# KiCad board DIP8breakout+potToUSB.kicad_pcb (continued)
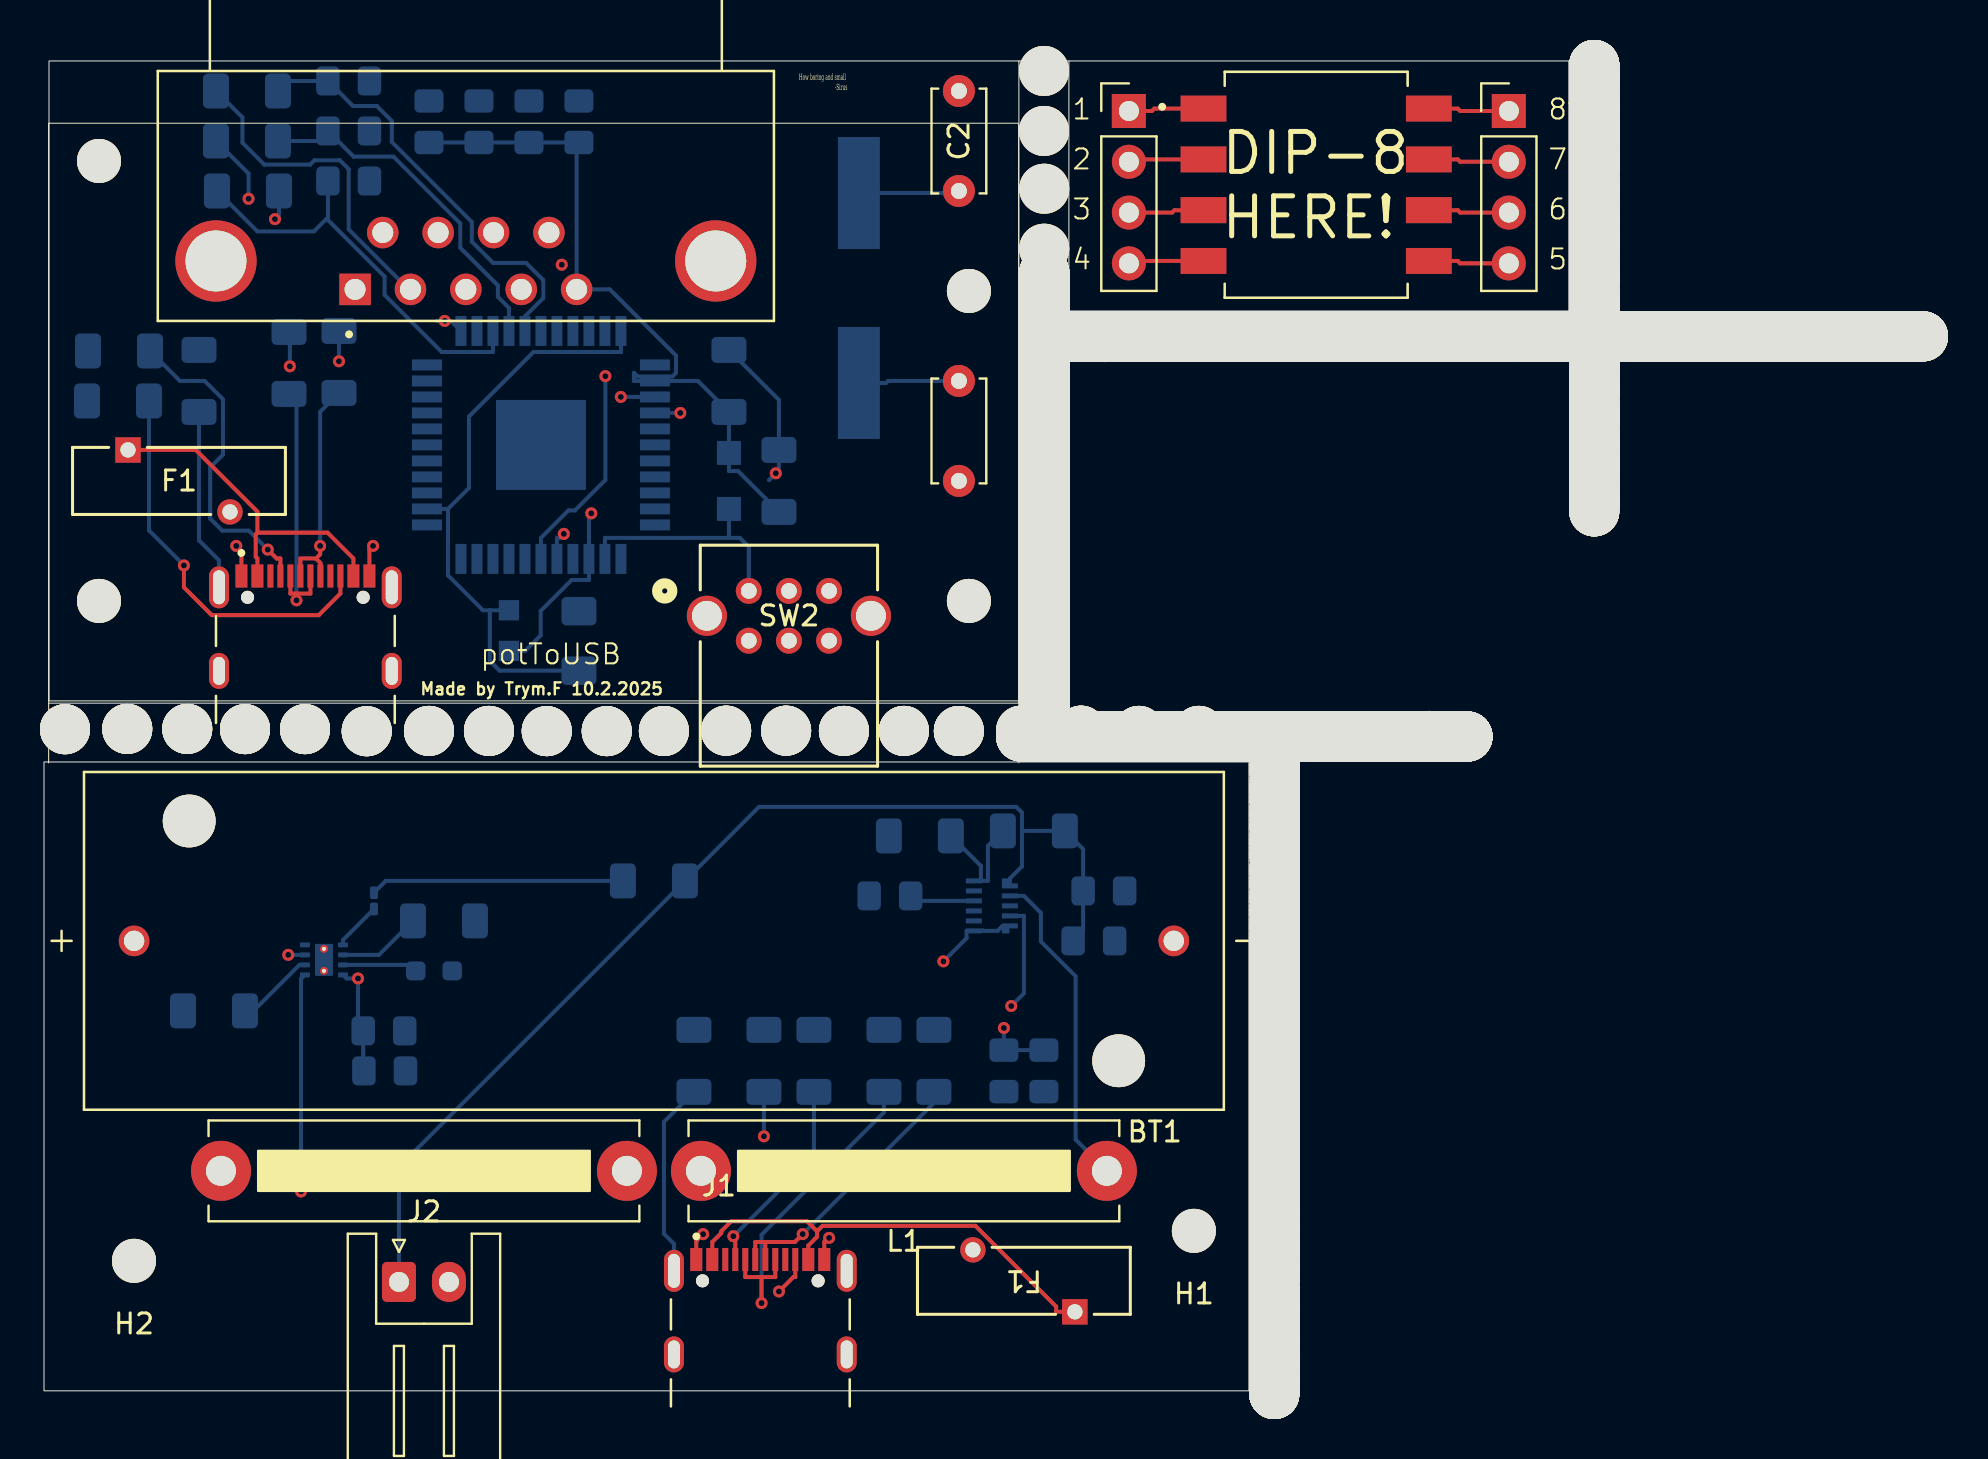
[diagram p0: board, top side]
## Placement (name value [footprint] x y rotation side) (continued)
H10#1073  MountingHole  [MountingHole_2.5mm]  77.52 55.44 180 bottom
H10#1074  MountingHole  [MountingHole_2.5mm]  50.02 33.99 180 bottom
H10#1075  MountingHole  [MountingHole_2.5mm]  61.52 4.86 0 bottom
H10#1076  MountingHole  [MountingHole_2.5mm]  76.2 52.73 270 bottom
H10#1077  MountingHole  [MountingHole_2.5mm]  61.55 12.07 180 bottom
H10#1078  MountingHole  [MountingHole_2.5mm]  73.24 52.73 270 bottom
H10#1079  MountingHole  [MountingHole_2.5mm]  77.52 51.42 180 bottom
H10#1080  MountingHole  [MountingHole_2.5mm]  61.55 13.03 180 bottom
H10#1081  MountingHole  [MountingHole_2.5mm]  61.55 22.13 180 bottom
H10#1082  MountingHole  [MountingHole_2.5mm]  53.42 32.72 90 bottom
H10#1083  MountingHole  [MountingHole_2.5mm]  61.55 23.33 180 bottom
H10#1084  MountingHole  [MountingHole_2.5mm]  50.02 49.61 180 bottom
H10#1085  MountingHole  [MountingHole_2.5mm]  61.52 7.74 0 bottom
H10#1086  MountingHole  [MountingHole_2.5mm]  63.28 32.72 90 bottom
H10#1087  MountingHole  [MountingHole_2.5mm]  79.94 52.73 270 bottom
H10#1088  MountingHole  [MountingHole_2.5mm]  77.52 47.6 180 bottom
H10#1089  MountingHole  [MountingHole_2.5mm]  54.28 32.72 90 bottom
H10#1090  MountingHole  [MountingHole_2.5mm]  87.26 52.73 270 bottom
H10#1091  MountingHole  [MountingHole_2.5mm]  53.68 32.72 90 bottom
H10#1092  MountingHole  [MountingHole_2.5mm]  77.52 60.66 180 bottom
H10#1093  MountingHole  [MountingHole_2.5mm]  76.4 52.73 270 bottom
H10#1094  MountingHole  [MountingHole_2.5mm]  73.9 52.73 270 bottom
H10#1095  MountingHole  [MountingHole_2.5mm]  77.52 56.1 180 bottom
H10#1096  MountingHole  [MountingHole_2.5mm]  22.25 33 90 bottom
H10#1097  MountingHole  [MountingHole_2.5mm]  77.52 65.64 180 bottom
H10#1098  MountingHole  [MountingHole_2.5mm]  45.75 33 90 bottom
H10#1099  MountingHole  [MountingHole_2.5mm]  77.52 53.78 180 bottom
H10#1100  MountingHole  [MountingHole_2.5mm]  67.82 32.72 90 bottom
H10#1101  MountingHole  [MountingHole_2.5mm]  57.82 52.73 270 bottom
H10#1102  MountingHole  [MountingHole_2.5mm]  50.46 32.72 90 bottom
H10#1103  MountingHole  [MountingHole_2.5mm]  54.74 52.73 270 bottom
H10#1104  MountingHole  [MountingHole_2.5mm]  61.52 5.06 0 bottom
H10#1105  MountingHole  [MountingHole_2.5mm]  85.56 52.73 270 bottom
H10#1106  MountingHole  [MountingHole_2.5mm]  61.55 24.49 180 bottom
H10#1107  MountingHole  [MountingHole_2.5mm]  51.32 32.72 90 bottom
H10#1108  MountingHole  [MountingHole_2.5mm]  60.32 32.72 90 bottom
H10#1109  MountingHole  [MountingHole_2.5mm]  60.72 32.72 90 bottom
H10#1110  MountingHole  [MountingHole_2.5mm]  61.52 1.1 0 bottom
H10#1111  MountingHole  [MountingHole_2.5mm]  58.32 32.72 90 bottom
H10#1112  MountingHole  [MountingHole_2.5mm]  77.94 52.73 270 bottom
H10#1113  MountingHole  [MountingHole_2.5mm]  58.86 32.72 90 bottom
H10#1114  MountingHole  [MountingHole_2.5mm]  77.52 57.04 180 bottom
H10#1115  MountingHole  [MountingHole_2.5mm]  88.12 52.73 270 bottom
H10#1116  MountingHole  [MountingHole_2.5mm]  49.26 32.72 90 bottom
H10#1117  MountingHole  [MountingHole_2.5mm]  50.02 42.19 180 bottom
H10#1118  MountingHole  [MountingHole_2.5mm]  79.08 52.73 270 bottom
H10#1119  MountingHole  [MountingHole_2.5mm]  77.52 44.64 180 bottom
H10#1120  MountingHole  [MountingHole_2.5mm]  70.12 32.72 90 bottom
H10#1121  MountingHole  [MountingHole_2.5mm]  77.52 59.4 180 bottom
H10#1122  MountingHole  [MountingHole_2.5mm]  61.52 19.7 0 bottom
H10#1123  MountingHole  [MountingHole_2.5mm]  61.52 1.24 0 bottom
H10#1124  MountingHole  [MountingHole_2.5mm]  62.78 52.73 270 bottom
H10#1125  MountingHole  [MountingHole_2.5mm]  61.52 8.64 0 bottom
H10#1126  MountingHole  [MountingHole_2.5mm]  61.52 13.36 0 bottom
H10#1127  MountingHole  [MountingHole_2.5mm]  73.44 52.73 270 bottom
H10#1128  MountingHole  [MountingHole_2.5mm]  77.52 59.8 180 bottom
H10#1129  MountingHole  [MountingHole_2.5mm]  61.55 22.47 180 bottom
H10#1130  MountingHole  [MountingHole_2.5mm]  61.55 20.27 180 bottom
H10#1131  MountingHole  [MountingHole_2.5mm]  70.48 52.73 270 bottom
H10#1132  MountingHole  [MountingHole_2.5mm]  77.52 60.46 180 bottom
H10#1133  MountingHole  [MountingHole_2.5mm]  54.9 32.72 90 bottom
H10#1134  MountingHole  [MountingHole_2.5mm]  61.55 28.51 180 bottom
H10#1135  MountingHole  [MountingHole_2.5mm]  77.52 44.38 180 bottom
H10#1136  MountingHole  [MountingHole_2.5mm]  68.22 32.72 90 bottom
H10#1137  MountingHole  [MountingHole_2.5mm]  77.52 62.48 180 bottom
H10#1138  MountingHole  [MountingHole_2.5mm]  49.92 32.72 90 bottom
H10#1139  MountingHole  [MountingHole_2.5mm]  61.55 9.81 180 bottom
H10#1140  MountingHole  [MountingHole_2.5mm]  53.88 32.72 90 bottom
H10#1141  MountingHole  [MountingHole_2.5mm]  83.3 52.73 270 bottom
H10#1142  MountingHole  [MountingHole_2.5mm]  77.52 65.24 180 bottom
H10#1143  MountingHole  [MountingHole_2.5mm]  50.02 37.21 180 bottom
H10#1144  MountingHole  [MountingHole_2.5mm]  69.82 52.73 270 bottom
H10#1145  MountingHole  [MountingHole_2.5mm]  69.42 52.73 270 bottom
H10#1146  MountingHole  [MountingHole_2.5mm]  61.52 0.7 0 bottom
H10#1147  MountingHole  [MountingHole_2.5mm]  82.5 52.73 270 bottom
H10#1148  MountingHole  [MountingHole_2.5mm]  63.04 52.73 270 bottom
H10#1149  MountingHole  [MountingHole_2.5mm]  77.52 62.94 180 bottom
H10#1150  MountingHole  [MountingHole_2.5mm]  61.55 17.71 180 bottom
H10#1151  MountingHole  [MountingHole_2.5mm]  72.7 52.73 270 bottom
H10#1152  MountingHole  [MountingHole_2.5mm]  77.52 51.02 180 bottom
H10#1153  MountingHole  [MountingHole_2.5mm]  61.52 15.26 0 bottom
H10#1154  MountingHole  [MountingHole_2.5mm]  71.84 52.73 270 bottom
H10#1155  MountingHole  [MountingHole_2.5mm]  65.34 52.73 270 bottom
H10#1156  MountingHole  [MountingHole_2.5mm]  93.1 52.73 270 bottom
H10#1157  MountingHole  [MountingHole_2.5mm]  61.55 14.83 180 bottom
H10#1158  MountingHole  [MountingHole_2.5mm]  71.64 52.73 270 bottom
H10#1159  MountingHole  [MountingHole_2.5mm]  50.02 45.45 180 bottom
H10#1160  MountingHole  [MountingHole_2.5mm]  61.55 15.03 180 bottom
H10#1161  MountingHole  [MountingHole_2.5mm]  58.32 32.72 90 bottom
H10#1162  MountingHole  [MountingHole_2.5mm]  77.52 56.64 180 bottom
H10#1163  MountingHole  [MountingHole_2.5mm]  77.52 45.38 180 bottom
H10#1164  MountingHole  [MountingHole_2.5mm]  50.02 42.59 180 bottom
H10#1165  MountingHole  [MountingHole_2.5mm]  52.48 32.72 90 bottom
H10#1166  MountingHole  [MountingHole_2.5mm]  64.14 32.72 90 bottom
H10#1167  MountingHole  [MountingHole_2.5mm]  61.52 14.26 0 bottom
H10#1168  MountingHole  [MountingHole_2.5mm]  50.02 36.95 180 bottom
H10#1169  MountingHole  [MountingHole_2.5mm]  61.52 1.64 0 bottom
H10#1170  MountingHole  [MountingHole_2.5mm]  50.02 49.41 180 bottom
H10#1171  MountingHole  [MountingHole_2.5mm]  77.52 50.68 180 bottom
H10#1172  MountingHole  [MountingHole_2.5mm]  61.52 8.64 0 bottom
H10#1173  MountingHole  [MountingHole_2.5mm]  77.52 56.3 180 bottom
H10#1174  MountingHole  [MountingHole_2.5mm]  51.32 52.73 270 bottom
H10#1175  MountingHole  [MountingHole_2.5mm]  59.72 52.73 270 bottom
H10#1176  MountingHole  [MountingHole_2.5mm]  52.92 52.73 270 bottom
H10#1177  MountingHole  [MountingHole_2.5mm]  61.52 0.7 0 bottom
H10#1178  MountingHole  [MountingHole_2.5mm]  88.12 52.73 270 bottom
H10#1179  MountingHole  [MountingHole_2.5mm]  53.38 52.73 270 bottom
H10#1180  MountingHole  [MountingHole_2.5mm]  70.28 52.73 270 bottom
H10#1181  MountingHole  [MountingHole_2.5mm]  54.54 52.73 270 bottom
H10#1182  MountingHole  [MountingHole_2.5mm]  57.46 32.72 90 bottom
H10#1183  MountingHole  [MountingHole_2.5mm]  61.55 13.43 180 bottom
H10#1184  MountingHole  [MountingHole_2.5mm]  77.52 45.78 180 bottom
H10#1185  MountingHole  [MountingHole_2.5mm]  68.22 52.73 270 bottom
H10#1186  MountingHole  [MountingHole_2.5mm]  57.36 52.73 270 bottom
H10#1187  MountingHole  [MountingHole_2.5mm]  61.55 28.11 180 bottom
H10#1188  MountingHole  [MountingHole_2.5mm]  61.55 30.13 180 bottom
H10#1189  MountingHole  [MountingHole_2.5mm]  89.6 52.73 270 bottom
H10#1190  MountingHole  [MountingHole_2.5mm]  66.16 32.72 90 bottom
H10#1191  MountingHole  [MountingHole_2.5mm]  77.52 58.6 180 bottom
H10#1192  MountingHole  [MountingHole_2.5mm]  59.92 52.73 270 bottom
H10#1193  MountingHole  [MountingHole_2.5mm]  77.52 45.04 180 bottom
H10#1194  MountingHole  [MountingHole_2.5mm]  60.38 52.73 270 bottom
H10#1195  MountingHole  [MountingHole_2.5mm]  77.52 57.24 180 bottom
H10#1196  MountingHole  [MountingHole_2.5mm]  58.66 32.72 90 bottom
H10#1197  MountingHole  [MountingHole_2.5mm]  61.55 22.47 180 bottom
H10#1198  MountingHole  [MountingHole_2.5mm]  61.52 2.8 0 bottom
H10#1199  MountingHole  [MountingHole_2.5mm]  61.52 20.76 0 bottom
H10#1200  MountingHole  [MountingHole_2.5mm]  61.52 11.3 0 bottom
H10#1201  MountingHole  [MountingHole_2.5mm]  50.02 44.25 180 bottom
H10#1202  MountingHole  [MountingHole_2.5mm]  77.52 46.24 180 bottom
H10#1203  MountingHole  [MountingHole_2.5mm]  61.55 10.47 180 bottom
H10#1204  MountingHole  [MountingHole_2.5mm]  58.12 32.72 90 bottom
H10#1205  MountingHole  [MountingHole_2.5mm]  51.52 52.73 270 bottom
H10#1206  MountingHole  [MountingHole_2.5mm]  61.55 25.63 180 bottom
H10#1207  MountingHole  [MountingHole_2.5mm]  50.02 50.07 180 bottom
H10#1208  MountingHole  [MountingHole_2.5mm]  61.55 30.33 180 bottom
H10#1209  MountingHole  [MountingHole_2.5mm]  50.02 37.95 180 bottom
H10#1210  MountingHole  [MountingHole_2.5mm]  50.02 48.01 180 bottom
H10#1211  MountingHole  [MountingHole_2.5mm]  50.02 36.75 180 bottom
H10#1212  MountingHole  [MountingHole_2.5mm]  61.52 1.84 0 bottom
H10#1213  MountingHole  [MountingHole_2.5mm]  54.94 52.73 270 bottom
H10#1214  MountingHole  [MountingHole_2.5mm]  61.52 14.06 0 bottom
H10#1215  MountingHole  [MountingHole_2.5mm]  61.52 18.34 0 bottom
H10#1216  MountingHole  [MountingHole_2.5mm]  31 33 90 bottom
H10#1217  MountingHole  [MountingHole_2.5mm]  61.55 15.65 180 bottom
H10#1218  MountingHole  [MountingHole_2.5mm]  59.06 32.72 90 bottom
H10#1219  MountingHole  [MountingHole_2.5mm]  61.78 52.73 270 bottom
H10#1220  MountingHole  [MountingHole_2.5mm]  85.16 52.73 270 bottom
H10#1221  MountingHole  [MountingHole_2.5mm]  56.76 32.72 90 bottom
H10#1222  MountingHole  [MountingHole_2.5mm]  61.52 6.74 0 bottom
H10#1223  MountingHole  [MountingHole_2.5mm]  77.52 50.88 180 bottom
H10#1224  MountingHole  [MountingHole_2.5mm]  61.52 17.8 0 bottom
H10#1225  MountingHole  [MountingHole_2.5mm]  72.58 52.73 270 bottom
H10#1226  MountingHole  [MountingHole_2.5mm]  77.52 50.48 180 bottom
H10#1227  MountingHole  [MountingHole_2.5mm]  55.28 52.73 270 bottom
H10#1228  MountingHole  [MountingHole_2.5mm]  50.02 37.41 180 bottom
H10#1229  MountingHole  [MountingHole_2.5mm]  51.82 32.72 90 bottom
H10#1230  MountingHole  [MountingHole_2.5mm]  50.02 35.85 180 bottom
H10#1231  MountingHole  [MountingHole_2.5mm]  61.52 0.04 0 bottom
H10#1232  MountingHole  [MountingHole_2.5mm]  57.16 52.73 270 bottom
H10#1233  MountingHole  [MountingHole_2.5mm]  89.6 52.73 270 bottom
H10#1234  MountingHole  [MountingHole_2.5mm]  51.98 52.73 270 bottom
H10#1235  MountingHole  [MountingHole_2.5mm]  61.52 17.6 0 bottom
H10#1236  MountingHole  [MountingHole_2.5mm]  61.52 0.44 0 bottom
H10#1237  MountingHole  [MountingHole_2.5mm]  50.02 49.87 180 bottom
H10#1238  MountingHole  [MountingHole_2.5mm]  93.1 52.73 270 bottom
H10#1239  MountingHole  [MountingHole_2.5mm]  54.9 32.72 90 bottom
H10#1240  MountingHole  [MountingHole_2.5mm]  71.38 52.73 270 bottom
H10#1241  MountingHole  [MountingHole_2.5mm]  61.52 5.68 0 bottom
H10#1242  MountingHole  [MountingHole_2.5mm]  78.88 52.73 270 bottom
H10#1243  MountingHole  [MountingHole_2.5mm]  50.02 40.83 180 bottom
H10#1244  MountingHole  [MountingHole_2.5mm]  50.02 55.31 180 bottom
H10#1245  MountingHole  [MountingHole_2.5mm]  61.55 14.43 180 bottom
H10#1246  MountingHole  [MountingHole_2.5mm]  52.38 52.73 270 bottom
H10#1247  MountingHole  [MountingHole_2.5mm]  70.78 32.72 90 bottom
H10#1248  MountingHole  [MountingHole_2.5mm]  61.52 19.2 0 bottom
H10#1249  MountingHole  [MountingHole_2.5mm]  61.55 21.27 180 bottom
H10#1250  MountingHole  [MountingHole_2.5mm]  77.52 61.08 180 bottom
H10#1251  MountingHole  [MountingHole_2.5mm]  61.55 18.01 180 bottom
H10#1252  MountingHole  [MountingHole_2.5mm]  61.52 9.84 0 bottom
H10#1253  MountingHole  [MountingHole_2.5mm]  77.52 62.68 180 bottom
H10#1254  MountingHole  [MountingHole_2.5mm]  61.55 29.47 180 bottom
H10#1255  MountingHole  [MountingHole_2.5mm]  59.06 32.72 90 bottom
H10#1256  MountingHole  [MountingHole_2.5mm]  58.32 32.72 90 bottom
H10#1257  MountingHole  [MountingHole_2.5mm]  76.86 52.73 270 bottom
H10#1258  MountingHole  [MountingHole_2.5mm]  37.11 33.01 90 bottom
H10#1259  MountingHole  [MountingHole_2.5mm]  69.28 52.73 270 bottom
H10#1260  MountingHole  [MountingHole_2.5mm]  61.52 12.16 0 bottom
H10#1261  MountingHole  [MountingHole_2.5mm]  91.7 52.73 270 bottom
H10#1262  MountingHole  [MountingHole_2.5mm]  70.08 52.73 270 bottom
H10#1263  MountingHole  [MountingHole_2.5mm]  49.52 32.72 90 bottom
H10#1264  MountingHole  [MountingHole_2.5mm]  77.52 45.78 180 bottom
H10#1265  MountingHole  [MountingHole_2.5mm]  61.52 5.68 0 bottom
H10#1266  MountingHole  [MountingHole_2.5mm]  77.52 57.9 180 bottom
H10#1267  MountingHole  [MountingHole_2.5mm]  90.8 52.73 270 bottom
H10#1268  MountingHole  [MountingHole_2.5mm]  61.55 14.17 180 bottom
H10#1269  MountingHole  [MountingHole_2.5mm]  61.55 12.77 180 bottom
H10#1270  MountingHole  [MountingHole_2.5mm]  64.48 32.72 90 bottom
H10#1271  MountingHole  [MountingHole_2.5mm]  19.25 33 90 bottom
H10#1272  MountingHole  [MountingHole_2.5mm]  61.52 16.12 0 bottom
H10#1273  MountingHole  [MountingHole_2.5mm]  77.52 43.98 180 bottom
H10#1274  MountingHole  [MountingHole_2.5mm]  51.12 32.72 90 bottom
H10#1275  MountingHole  [MountingHole_2.5mm]  69.78 32.72 90 bottom
H10#1276  MountingHole  [MountingHole_2.5mm]  60.78 52.73 270 bottom
H10#1277  MountingHole  [MountingHole_2.5mm]  54.08 52.73 270 bottom
H10#1278  MountingHole  [MountingHole_2.5mm]  34.11 33.01 90 bottom
H10#1279  MountingHole  [MountingHole_2.5mm]  55.16 32.72 90 bottom
H10#1280  MountingHole  [MountingHole_2.5mm]  49.26 32.72 90 bottom
H10#1281  MountingHole  [MountingHole_2.5mm]  68.52 32.72 90 bottom
H10#1282  MountingHole  [MountingHole_2.5mm]  77.52 49.82 180 bottom
H10#1283  MountingHole  [MountingHole_2.5mm]  50.02 36.75 180 bottom
H10#1284  MountingHole  [MountingHole_2.5mm]  61.52 3.66 0 bottom
H10#1285  MountingHole  [MountingHole_2.5mm]  75.46 52.73 270 bottom
H10#1286  MountingHole  [MountingHole_2.5mm]  61.55 17.05 180 bottom
H10#1287  MountingHole  [MountingHole_2.5mm]  61.55 25.23 180 bottom
H10#1288  MountingHole  [MountingHole_2.5mm]  66.2 52.73 270 bottom
H10#1289  MountingHole  [MountingHole_2.5mm]  78.88 52.73 270 bottom
H10#1290  MountingHole  [MountingHole_2.5mm]  61.52 8.44 0 bottom
H10#1291  MountingHole  [MountingHole_2.5mm]  49.92 32.72 90 bottom
H10#1292  MountingHole  [MountingHole_2.5mm]  61.52 0.9 0 bottom
H10#1293  MountingHole  [MountingHole_2.5mm]  61.52 7.54 0 bottom
H10#1294  MountingHole  [MountingHole_2.5mm]  72.84 52.73 270 bottom
H10#1295  MountingHole  [MountingHole_2.5mm]  50.02 44.45 180 bottom
H10#1296  MountingHole  [MountingHole_2.5mm]  61.55 15.45 180 bottom
H10#1297  MountingHole  [MountingHole_2.5mm]  61.55 31.73 180 bottom
H10#1298  MountingHole  [MountingHole_2.5mm]  61.55 15.45 180 bottom
H10#1299  MountingHole  [MountingHole_2.5mm]  86.52 52.73 270 bottom
H10#1300  MountingHole  [MountingHole_2.5mm]  56.96 32.72 90 bottom
H10#1301  MountingHole  [MountingHole_2.5mm]  93.3 52.73 270 bottom
H10#1302  MountingHole  [MountingHole_2.5mm]  61.55 16.31 180 bottom
H10#1303  MountingHole  [MountingHole_2.5mm]  61.52 14.72 0 bottom
H10#1304  MountingHole  [MountingHole_2.5mm]  77.52 63.84 180 bottom
H10#1305  MountingHole  [MountingHole_2.5mm]  61.52 9.84 0 bottom
H10#1306  MountingHole  [MountingHole_2.5mm]  93.56 52.73 270 bottom
H10#1307  MountingHole  [MountingHole_2.5mm]  66.4 52.73 270 bottom
H10#1308  MountingHole  [MountingHole_2.5mm]  68.88 52.73 270 bottom
H10#1309  MountingHole  [MountingHole_2.5mm]  61.98 52.73 270 bottom
H10#1310  MountingHole  [MountingHole_2.5mm]  64.64 52.73 270 bottom
H10#1311  MountingHole  [MountingHole_2.5mm]  66.16 32.72 90 bottom
H10#1312  MountingHole  [MountingHole_2.5mm]  77.68 52.73 270 bottom
H10#1313  MountingHole  [MountingHole_2.5mm]  80.04 52.73 270 bottom
H10#1314  MountingHole  [MountingHole_2.5mm]  50.02 47.11 180 bottom
H10#1315  MountingHole  [MountingHole_2.5mm]  61.55 18.41 180 bottom
H10#1316  MountingHole  [MountingHole_2.5mm]  66.94 52.73 270 bottom
H10#1317  MountingHole  [MountingHole_2.5mm]  61.52 6.34 0 bottom
H10#1318  MountingHole  [MountingHole_2.5mm]  77.52 54.84 180 bottom
H10#1319  MountingHole  [MountingHole_2.5mm]  61.52 17.6 0 bottom
H10#1320  MountingHole  [MountingHole_2.5mm]  55.9 32.72 90 bottom
H10#1321  MountingHole  [MountingHole_2.5mm]  61.55 17.51 180 bottom
H10#1322  MountingHole  [MountingHole_2.5mm]  68.88 52.73 270 bottom
H10#1323  MountingHole  [MountingHole_2.5mm]  76.2 52.73 270 bottom
H10#1324  MountingHole  [MountingHole_2.5mm]  50.02 49.87 180 bottom
H10#1325  MountingHole  [MountingHole_2.5mm]  81.64 52.73 270 bottom
H10#1326  MountingHole  [MountingHole_2.5mm]  77.52 54.84 180 bottom
H10#1327  MountingHole  [MountingHole_2.5mm]  61.52 21.76 0 bottom
H10#1328  MountingHole  [MountingHole_2.5mm]  55.36 32.72 90 bottom
H10#1329  MountingHole  [MountingHole_2.5mm]  92.9 52.73 270 bottom
H10#1330  MountingHole  [MountingHole_2.5mm]  50.02 51.15 180 bottom
H10#1331  MountingHole  [MountingHole_2.5mm]  66.2 52.73 270 bottom
H10#1332  MountingHole  [MountingHole_2.5mm]  50.02 39.01 180 bottom
H10#1333  MountingHole  [MountingHole_2.5mm]  72.24 52.73 270 bottom
H10#1334  MountingHole  [MountingHole_2.5mm]  61.55 13.43 180 bottom
H10#1335  MountingHole  [MountingHole_2.5mm]  50.02 52.29 180 bottom
H10#1336  MountingHole  [MountingHole_2.5mm]  82.3 52.73 270 bottom
H10#1337  MountingHole  [MountingHole_2.5mm]  61.55 18.87 180 bottom
H10#1338  MountingHole  [MountingHole_2.5mm]  80.44 52.73 270 bottom
H10#1339  MountingHole  [MountingHole_2.5mm]  77.52 58.2 180 bottom
H10#1340  MountingHole  [MountingHole_2.5mm]  61.55 9.61 180 bottom
H10#1341  MountingHole  [MountingHole_2.5mm]  40 33 90 bottom
H10#1342  MountingHole  [MountingHole_2.5mm]  82.5 52.73 270 bottom
H10#1343  MountingHole  [MountingHole_2.5mm]  61.55 12.77 180 bottom
H10#1344  MountingHole  [MountingHole_2.5mm]  74.6 52.73 270 bottom
H10#1345  MountingHole  [MountingHole_2.5mm]  50.02 53.85 180 bottom
H10#1346  MountingHole  [MountingHole_2.5mm]  53.58 52.73 270 bottom
H10#1347  MountingHole  [MountingHole_2.5mm]  61.52 0.04 0 bottom
H10#1348  MountingHole  [MountingHole_2.5mm]  61.52 3.66 0 bottom
H10#1349  MountingHole  [MountingHole_2.5mm]  79.74 52.73 270 bottom
H10#1350  MountingHole  [MountingHole_2.5mm]  64.84 52.73 270 bottom
H10#1351  MountingHole  [MountingHole_2.5mm]  50.02 44.45 180 bottom
H10#1352  MountingHole  [MountingHole_2.5mm]  50.02 37.21 180 bottom
H10#1353  MountingHole  [MountingHole_2.5mm]  77.52 55.64 180 bottom
H10#1354  MountingHole  [MountingHole_2.5mm]  61.52 19 0 bottom
H10#1355  MountingHole  [MountingHole_2.5mm]  61.52 16.12 0 bottom
H10#1356  MountingHole  [MountingHole_2.5mm]  88.32 52.73 270 bottom
H10#1357  MountingHole  [MountingHole_2.5mm]  82.5 52.73 270 bottom
H10#1358  MountingHole  [MountingHole_2.5mm]  73.64 52.73 270 bottom
H10#1359  MountingHole  [MountingHole_2.5mm]  50.02 48.67 180 bottom
H10#1360  MountingHole  [MountingHole_2.5mm]  77.52 47.34 180 bottom
H10#1361  MountingHole  [MountingHole_2.5mm]  61.52 21.3 0 bottom
H10#1362  MountingHole  [MountingHole_2.5mm]  57.46 32.72 90 bottom
H10#1363  MountingHole  [MountingHole_2.5mm]  61.52 5.06 0 bottom
H10#1364  MountingHole  [MountingHole_2.5mm]  91.7 52.73 270 bottom
H10#1365  MountingHole  [MountingHole_2.5mm]  61.52 7.28 0 bottom
H10#1366  MountingHole  [MountingHole_2.5mm]  61.55 21.93 180 bottom
H10#1367  MountingHole  [MountingHole_2.5mm]  61.55 31.07 180 bottom
H10#1368  MountingHole  [MountingHole_2.5mm]  50.02 54.11 180 bottom
H10#1369  MountingHole  [MountingHole_2.5mm]  75.46 52.73 270 bottom
H10#1370  MountingHole  [MountingHole_2.5mm]  50.02 43.79 180 bottom
H10#1371  MountingHole  [MountingHole_2.5mm]  63.94 32.72 90 bottom
H10#1372  MountingHole  [MountingHole_2.5mm]  61.52 3.46 0 bottom
H10#1373  MountingHole  [MountingHole_2.5mm]  67.36 32.72 90 bottom
H10#1374  MountingHole  [MountingHole_2.5mm]  50.02 41.03 180 bottom
H10#1375  MountingHole  [MountingHole_2.5mm]  61.52 6.88 0 bottom
H10#1376  MountingHole  [MountingHole_2.5mm]  77.52 47.14 180 bottom
H10#1377  MountingHole  [MountingHole_2.5mm]  61.55 31.93 180 bottom
H10#1378  MountingHole  [MountingHole_2.5mm]  61.55 29.47 180 bottom
H10#1379  MountingHole  [MountingHole_2.5mm]  61.52 0.9 0 bottom
H10#1380  MountingHole  [MountingHole_2.5mm]  61.52 7.74 0 bottom
H10#1381  MountingHole  [MountingHole_2.5mm]  72.58 52.73 270 bottom
H10#1382  MountingHole  [MountingHole_2.5mm]  61.52 21.96 0 bottom
H10#1383  MountingHole  [MountingHole_2.5mm]  50.02 43.05 180 bottom
H10#1384  MountingHole  [MountingHole_2.5mm]  50.02 33.99 180 bottom
H10#1385  MountingHole  [MountingHole_2.5mm]  63.74 32.72 90 bottom
H10#1386  MountingHole  [MountingHole_2.5mm]  66.94 52.73 270 bottom
H10#1387  MountingHole  [MountingHole_2.5mm]  50.02 38.15 180 bottom
H10#1388  MountingHole  [MountingHole_2.5mm]  77.52 47.6 180 bottom
H10#1389  MountingHole  [MountingHole_2.5mm]  61.52 12.9 0 bottom
H10#1390  MountingHole  [MountingHole_2.5mm]  61.52 9.3 0 bottom
H10#1391  MountingHole  [MountingHole_2.5mm]  53.38 52.73 270 bottom
H10#1392  MountingHole  [MountingHole_2.5mm]  61.52 21.1 0 bottom
H10#1393  MountingHole  [MountingHole_2.5mm]  80.24 52.73 270 bottom
H10#1394  MountingHole  [MountingHole_2.5mm]  61.55 11.41 180 bottom
H10#1395  MountingHole  [MountingHole_2.5mm]  61.55 31.73 180 bottom
H10#1396  MountingHole  [MountingHole_2.5mm]  61.55 17.51 180 bottom
H10#1397  MountingHole  [MountingHole_2.5mm]  77.52 64.5 180 bottom
H10#1398  MountingHole  [MountingHole_2.5mm]  50.02 36.05 180 bottom
H10#1399  MountingHole  [MountingHole_2.5mm]  53.02 32.72 90 bottom
H10#1400  MountingHole  [MountingHole_2.5mm]  63.08 32.72 90 bottom
H10#1401  MountingHole  [MountingHole_2.5mm]  88.74 52.73 270 bottom
H10#1402  MountingHole  [MountingHole_2.5mm]  61.55 17.05 180 bottom
H10#1403  MountingHole  [MountingHole_2.5mm]  59.72 32.72 90 bottom
H10#1404  MountingHole  [MountingHole_2.5mm]  50.02 43.25 180 bottom
H10#1405  MountingHole  [MountingHole_2.5mm]  77.52 49.2 180 bottom
H10#1406  MountingHole  [MountingHole_2.5mm]  61.55 22.93 180 bottom
H10#1407  MountingHole  [MountingHole_2.5mm]  61.52 15.12 0 bottom
H10#1408  MountingHole  [MountingHole_2.5mm]  7.16 33.1 90 bottom
H10#1409  MountingHole  [MountingHole_2.5mm]  50.02 53.45 180 bottom
H10#1410  MountingHole  [MountingHole_2.5mm]  52.88 32.72 90 bottom
H10#1411  MountingHole  [MountingHole_2.5mm]  70.78 32.72 90 bottom
H10#1412  MountingHole  [MountingHole_2.5mm]  92.9 52.73 270 bottom
H10#1413  MountingHole  [MountingHole_2.5mm]  77.52 61.74 180 bottom
H10#1414  MountingHole  [MountingHole_2.5mm]  91 52.73 270 bottom
H10#1415  MountingHole  [MountingHole_2.5mm]  61.55 28.97 180 bottom
H10#1416  MountingHole  [MountingHole_2.5mm]  61.55 12.37 180 bottom
H10#1417  MountingHole  [MountingHole_2.5mm]  86.92 52.73 270 bottom
H10#1418  MountingHole  [MountingHole_2.5mm]  61.55 10.01 180 bottom
H10#1419  MountingHole  [MountingHole_2.5mm]  50.66 32.72 90 bottom
H10#1420  MountingHole  [MountingHole_2.5mm]  50.26 32.72 90 bottom
H10#1421  MountingHole  [MountingHole_2.5mm]  61.52 20.36 0 bottom
H10#1422  MountingHole  [MountingHole_2.5mm]  60.98 32.72 90 bottom
H10#1423  MountingHole  [MountingHole_2.5mm]  50.02 51.89 180 bottom
H10#1424  MountingHole  [MountingHole_2.5mm]  63.94 32.72 90 bottom
H10#1425  MountingHole  [MountingHole_2.5mm]  50.02 42.19 180 bottom
H10#1426  MountingHole  [MountingHole_2.5mm]  61.52 19 0 bottom
H10#1427  MountingHole  [MountingHole_2.5mm]  50.02 37.41 180 bottom
H10#1428  MountingHole  [MountingHole_2.5mm]  80.7 52.73 270 bottom
H10#1429  MountingHole  [MountingHole_2.5mm]  61.55 20.27 180 bottom
H10#1430  MountingHole  [MountingHole_2.5mm]  61.55 9.81 180 bottom
H10#1431  MountingHole  [MountingHole_2.5mm]  77.52 46.04 180 bottom
H10#1432  MountingHole  [MountingHole_2.5mm]  61.52 32.72 90 bottom
H10#1433  MountingHole  [MountingHole_2.5mm]  50.02 40.09 180 bottom
H10#1434  MountingHole  [MountingHole_2.5mm]  50.02 37.95 180 bottom
H10#1435  MountingHole  [MountingHole_2.5mm]  66.2 52.73 270 bottom
H10#1436  MountingHole  [MountingHole_2.5mm]  83.76 52.73 270 bottom
H10#1437  MountingHole  [MountingHole_2.5mm]  50.02 46.25 180 bottom
H10#1438  MountingHole  [MountingHole_2.5mm]  61.52 21.56 0 bottom
